# KiCad board EnvKB105.kicad_pcb (continued)
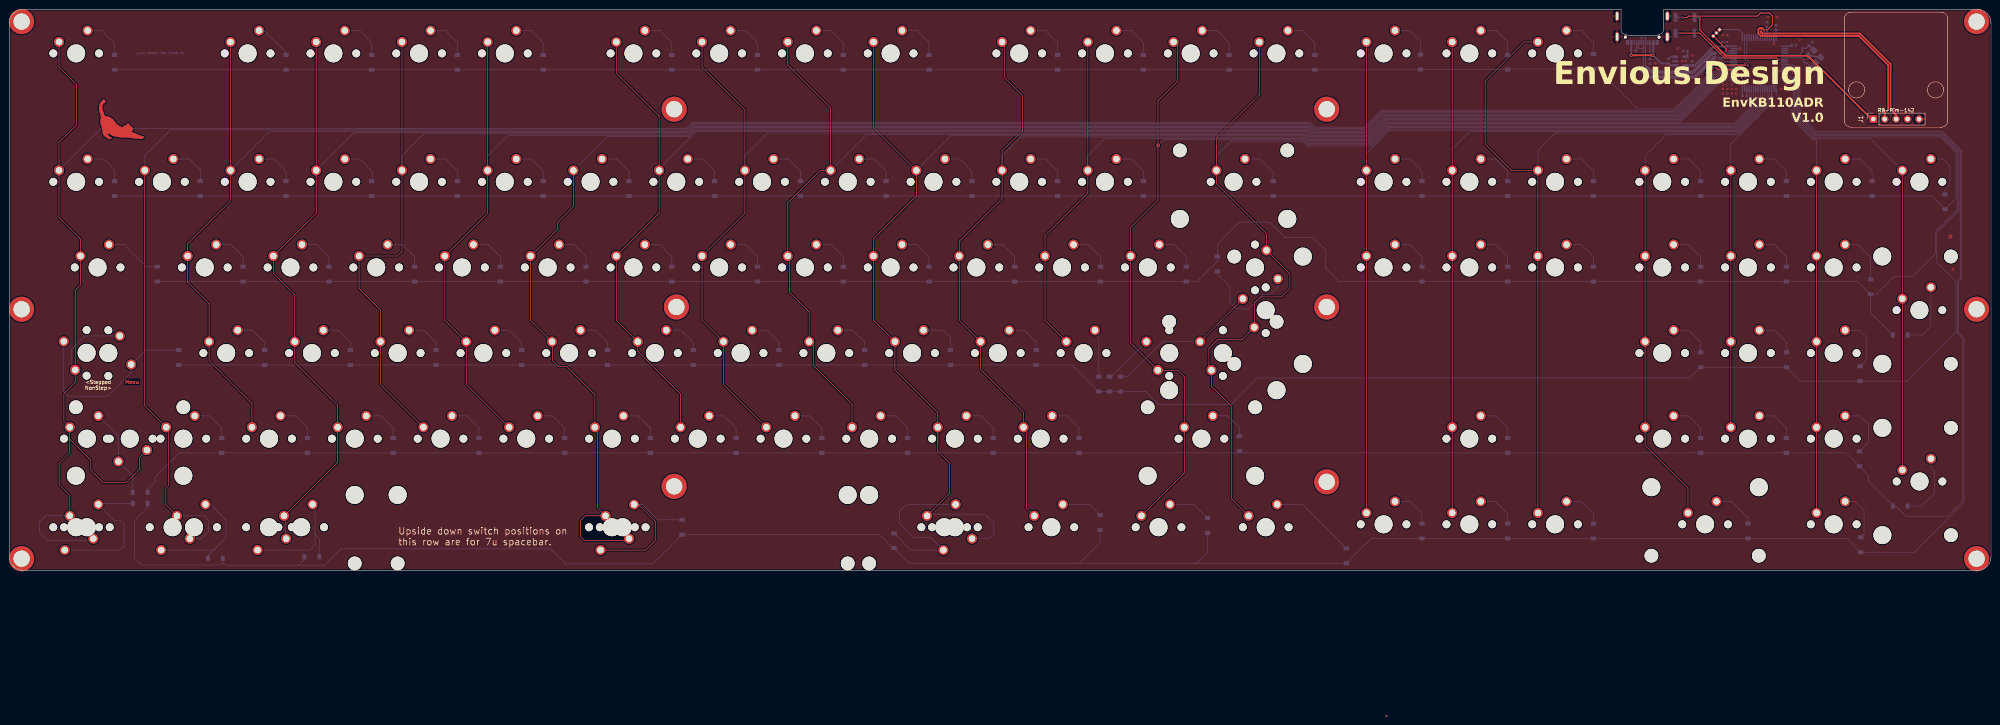
[diagram p0: board, top side]
## Nets
+3V3: C3.1 C4.1 C5.1 C6.1 C7.1 C9.1 C11.1 J1.1 R5.1 SW1.1 U1.1 U1.13 U1.19 U1.32 U1.48 U1.64 U2.5
/VBUS: R3.1 U2.1 USB1.A4 USB1.A9 USB1.B4 USB1.B9
GND: C1.2 C2.2 C3.2 C4.2 C5.2 C6.2 C7.2 C8.2 C9.2 C10.2 C11.2 J1.5 J5.2 R4.2 R102.1 R103.1 SW2.1 U1.12 U1.18 U1.31 U1.47 U1.63 U2.2 USB1.A1 USB1.A12 USB1.B1 USB1.B12 USB1.S1 Y1.2 Y1.4
/SWCLK: J5.1 U1.49
/SWD: J5.3 U1.46
col0: K_12.1 K_28.1 K_49.1 K_70.1 K_70B1.1 K_86.1 K_104.1 K_104B1.1 K_ANSI_1.1 U1.51
col1: K_29.1 K_87.1 K_105.1 K_105B1.1 U1.41
col2: K_13.1 K_30.1 K_50.1 K_71.1 K_88.1 U1.40
col3: K_14.1 K_31.1 K_51.1 K_72.1 K_89.1 K_106.1 K_106B1.1 U1.39
col4: K_15.1 K_32.1 K_52.1 K_73.1 K_90.1 U1.38
col5: K_16.1 K_33.1 K_53.1 K_74.1 K_91.1 U1.37
col6: K_34.1 K_54.1 K_75.1 K_92.1 K_107.1 K_107B1.1 U1.36
col7: K_17.1 K_35.1 K_55.1 K_76.1 K_93.1 U1.35
col8: K_18.1 K_36.1 K_56.1 K_77.1 K_94.1 U1.34
col9: K_19.1 K_37.1 K_57.1 K_78.1 K_95.1 U1.33
col10: K_20.1 K_38.1 K_58.1 K_79.1 K_96.1 K_108.1 K_108C1.1 U1.29
col11: K_21.1 K_39.1 K_59.1 K_80.1 K_97.1 K_109.1 U1.28
col12: K_22.1 K_40.1 K_60.1 K_81.1 U1.27
col13: K_23.1 K_61.1 K_82.1 K_98.1 K_110.1 U1.26
col14: K_24.1 K_41.1 K_62.1 K_111.1 K_ANSI_2.1 K_ANSI_3.1 U1.25
col15: K_25.1 K_42.1 K_63.1 K_112.1 U1.24
col16: K_26.1 K_43.1 K_64.1 K_99.1 K_113.1 U1.23
col17: K_27.1 K_44.1 K_65.1 K_114.1 U1.22
col19: K_45.1 K_66.1 K_83.1 K_100.1 K_115.1 U1.21
col20: K_46.1 K_67.1 K_84.1 K_101.1 U1.20
col21: K_47.1 K_68.1 K_85.1 K_102.1 K_116.1 U1.17
col22: K_48.1 K_69.1 K_103.1 U1.16
row1: D_12.1 D_13.1 D_14.1 D_15.1 D_16.1 D_17.1 D_18.1 D_19.1 D_20.1 D_21.1 D_22.1 D_23.1 D_24.1 D_25.1 D_26.1 D_27.1 U1.50
row3: D_28.1 D_29.1 D_30.1 D_31.1 D_32.1 D_33.1 D_34.1 D_35.1 D_36.1 D_37.1 D_38.1 D_39.1 D_40.1 D_41.1 D_42.1 D_43.1 D_44.1 D_45.1 D_46.1 D_47.1 D_48.1 U1.15
row4: D_49.1 D_50.1 D_51.1 D_52.1 D_53.1 D_54.1 D_55.1 D_56.1 D_57.1 D_58.1 D_59.1 D_60.1 D_61.1 D_63.1 D_64.1 D_65.1 D_66.1 D_67.1 D_68.1 D_69.1 D_117.1 U1.14
row5: D_62.1 D_70.1 D_71.1 D_72.1 D_73.1 D_74.1 D_75.1 D_76.1 D_77.1 D_78.1 D_79.1 D_80.1 D_81.1 D_82.1 D_83.1 D_84.1 D_85.1 U1.11
row6: D_86.1 D_87.1 D_88.1 D_89.1 D_90.1 D_91.1 D_92.1 D_93.1 D_94.1 D_95.1 D_96.1 D_97.1 D_98.1 D_99.1 D_100.1 D_101.1 D_102.1 D_103.1 U1.10
row7: D_104.1 D_105.1 D_106.1 D_107.1 D_108.1 D_109.1 D_110.1 D_111.1 D_112.1 D_113.1 D_114.1 D_115.1 D_116.1 U1.9
SCL: J1.3 U1.58
SDA: J1.2 U1.59
USB_D+: R1.1 USB1.A6 USB1.B6
USB_D-: R2.1 USB1.A7 USB1.B7
Net-(D_12-A): D_12.2 K_12.2
Net-(D_13-A): D_13.2 K_13.2
Net-(D_14-A): D_14.2 K_14.2
Net-(D_15-A): D_15.2 K_15.2
Net-(D_16-A): D_16.2 K_16.2
Net-(D_17-A): D_17.2 K_17.2
Net-(D_18-A): D_18.2 K_18.2
Net-(D_19-A): D_19.2 K_19.2
Net-(D_20-A): D_20.2 K_20.2
Net-(D_21-A): D_21.2 K_21.2
Net-(D_22-A): D_22.2 K_22.2
Net-(D_23-A): D_23.2 K_23.2
Net-(D_24-A): D_24.2 K_24.2
Net-(D_25-A): D_25.2 K_25.2
Net-(D_26-A): D_26.2 K_26.2
Net-(D_27-A): D_27.2 K_27.2
Net-(D_28-A): D_28.2 K_28.2
Net-(D_29-A): D_29.2 K_29.2
Net-(D_30-A): D_30.2 K_30.2
Net-(D_31-A): D_31.2 K_31.2
Net-(D_32-A): D_32.2 K_32.2
Net-(D_33-A): D_33.2 K_33.2
Net-(D_34-A): D_34.2 K_34.2
Net-(D_35-A): D_35.2 K_35.2
Net-(D_36-A): D_36.2 K_36.2
Net-(D_37-A): D_37.2 K_37.2
Net-(D_38-A): D_38.2 K_38.2
Net-(D_39-A): D_39.2 K_39.2
Net-(D_40-A): D_40.2 K_40.2
Net-(D_41-A): D_41.2 K_41.2
Net-(D_42-A): D_42.2 K_42.2
Net-(D_43-A): D_43.2 K_43.2
Net-(D_44-A): D_44.2 K_44.2
Net-(D_45-A): D_45.2 K_45.2
Net-(D_46-A): D_46.2 K_46.2
Net-(D_47-A): D_47.2 K_47.2
Net-(D_48-A): D_48.2 K_48.2
Net-(D_49-A): D_49.2 K_49.2
Net-(D_50-A): D_50.2 K_50.2
Net-(D_51-A): D_51.2 K_51.2
Net-(D_52-A): D_52.2 K_52.2
Net-(D_53-A): D_53.2 K_53.2
Net-(D_54-A): D_54.2 K_54.2
Net-(D_55-A): D_55.2 K_55.2
Net-(D_56-A): D_56.2 K_56.2
Net-(D_57-A): D_57.2 K_57.2
Net-(D_58-A): D_58.2 K_58.2
Net-(D_59-A): D_59.2 K_59.2
Net-(D_60-A): D_60.2 K_60.2
Net-(D_61-A): D_61.2 K_61.2
Net-(D_62-A): D_62.2 K_62.2 K_ANSI_2.2
Net-(D_63-A): D_63.2 K_63.2
Net-(D_64-A): D_64.2 K_64.2
Net-(D_65-A): D_65.2 K_65.2
Net-(D_66-A): D_66.2 K_66.2
Net-(D_67-A): D_67.2 K_67.2
Net-(D_68-A): D_68.2 K_68.2
Net-(D_69-A): D_69.2 K_69.2
Net-(D_70-A): D_70.2 K_70.2 K_70B1.2
Net-(D_71-A): D_71.2 K_71.2
Net-(D_72-A): D_72.2 K_72.2
Net-(D_73-A): D_73.2 K_73.2
Net-(D_74-A): D_74.2 K_74.2
Net-(D_75-A): D_75.2 K_75.2
Net-(D_76-A): D_76.2 K_76.2
Net-(D_77-A): D_77.2 K_77.2
Net-(D_78-A): D_78.2 K_78.2
Net-(D_79-A): D_79.2 K_79.2
Net-(D_80-A): D_80.2 K_80.2
Net-(D_81-A): D_81.2 K_81.2
Net-(D_82-A): D_82.2 K_82.2
Net-(D_83-A): D_83.2 K_83.2
Net-(D_84-A): D_84.2 K_84.2
Net-(D_85-A): D_85.2 K_85.2
Net-(D_86-A): D_86.2 K_86.2 K_ANSI_1.2
Net-(D_87-A): D_87.2 K_87.2
Net-(D_88-A): D_88.2 K_88.2
Net-(D_89-A): D_89.2 K_89.2
Net-(D_90-A): D_90.2 K_90.2
Net-(D_91-A): D_91.2 K_91.2
Net-(D_92-A): D_92.2 K_92.2
Net-(D_93-A): D_93.2 K_93.2
Net-(D_94-A): D_94.2 K_94.2
Net-(D_95-A): D_95.2 K_95.2
Net-(D_96-A): D_96.2 K_96.2
Net-(D_97-A): D_97.2 K_97.2
Net-(D_98-A): D_98.2 K_98.2
Net-(D_99-A): D_99.2 K_99.2
Net-(D_100-A): D_100.2 K_100.2
Net-(D_101-A): D_101.2 K_101.2
Net-(D_102-A): D_102.2 K_102.2
Net-(D_103-A): D_103.2 K_103.2
Net-(D_104-A): D_104.2 K_104.2 K_104B1.2
Net-(D_105-A): D_105.2 K_105.2 K_105B1.2
Net-(D_106-A): D_106.2 K_106.2 K_106B1.2
Net-(D_107-A): D_107.2 K_107.2 K_107B1.2
Net-(D_108-A): D_108.2 K_108.2 K_108C1.2
Net-(D_109-A): D_109.2 K_109.2
Net-(D_110-A): D_110.2 K_110.2
Net-(D_111-A): D_111.2 K_111.2
Net-(D_112-A): D_112.2 K_112.2
Net-(D_113-A): D_113.2 K_113.2
Net-(D_114-A): D_114.2 K_114.2
Net-(D_115-A): D_115.2 K_115.2
Net-(D_116-A): D_116.2 K_116.2
Net-(D_117-A): D_117.2 K_ANSI_3.2
Net-(U1-BOOT0): R4.1 SW1.2 U1.60
Net-(U1-NRST): SW2.2 U1.7
Net-(U1-PA10): R5.2 U1.43
Net-(U1-PA11): R2.2 U1.44
Net-(U1-PA12): R1.2 U1.45
Net-(U1-PH0): C2.1 U1.5 Y1.3
Net-(U1-PH1): C1.1 U1.6 Y1.1
Net-(U1-VCAP1): C8.1 U1.30
Net-(U2-BP): C10.1 U2.4
Net-(U2-EN): R3.2 U2.3
Net-(USB1-CC1): R102.2 USB1.A5
Net-(USB1-CC2): R103.2 USB1.B5

Pads without a net: H1 1; H2 1; H3 1; H4 1; H5 1; H6 1; H7 1; H8 1; H9 1; H10 1; H11 1; H12 1; J1 4; U1 2 3 4 8 42 52 53 54 55 56 57 61 62; USB1 A8 B8

## Via types
v1: diameter 0.5, hole 0.3, Top to Bottom, 50 vias
v2: diameter 0.8, hole 0.4, Top to Bottom, 4 vias

## Routing (per net, layer and track width the routed paths; a pad name or vN(x,y) marks a point on that pad's centre or on a via; arc(x,y) is an arc through that point)
+3V3: length 80.4
  Top w0.25: v1(375.6,122.8) 375.6,120.25 v1(379.25,116.6)
  Top w0.3: v1(384.91,109.56) 384.91,109.84 383.33,111.42 379.58,111.42 v1(379.23,111.77)
  Top w0.4: J1.1 413.72,100.4 399.62,114.5 381.35,114.5 v1(379.25,116.6)
  Bottom w0.15: v1(379.23,111.77) 378.51,111.77 R5.1 ; v1(384.91,109.56) 385.05,109.42 U1.32
  Bottom w0.25: C4.1 U1.32 ; C5.1 U1.19 ; U1.1 395.75,116.6 C7.1 ; U1.64 C3.1 ; SW1.1 375.62,123 375.62,122.82 v1(375.6,122.8)
  Bottom w0.3: 378.19,116.06 378.73,116.6 v1(379.25,116.6) U1.48
  Bottom w0.5: U2.5 C11.1 374.48,112.35 378.19,116.06
/VBUS: length 16.4
  Top w0.4: v2(365.2,114.6) v2(360.35,114.6)
  Bottom w0.4: U2.1 369.1,112.35 R3.1 367.01,112.79 v2(365.2,114.6) 365.25,114.65 USB1.A9 ; v2(360.35,114.6) USB1.A4
GND: length 11.9
  Bottom w0.15: U1.12 396.05,111.1 v1(396.38,110.77)
  Bottom w0.25: U1.31 v1(385.55,108.55) ; U1.47 v1(384.5,116.1) ; U1.18 v1(392.05,108.55) ; U1.63 v1(392.05,117.17) ; U1.12 v1(392.85,111.1)
  Bottom w0.35: Y1.2 Y1.4
  vias: v1(365.7,112.85) v1(370.7,116.1) v1(371.7,113.35) v1(372.45,113.35) v1(373.95,114.6) v1(380.7,119.1) v1(380.7,108.1) v1(380.7,107.1) v1(380.7,106.1) v1(381.7,119.1) v1(381.7,108.1) v1(381.7,107.1) v1(381.7,106.1) v1(382.7,108.1) v1(382.7,107.1) v1(382.7,106.1) v1(383.7,107.1) v1(383.7,106.1) v1(390.7,123.1) v1(391.7,103.1) v1(392.7,123.1) v1(393.7,107.1) v1(394.7,108.1) v1(394.7,107.1) v1(395.7,108.1) v1(395.7,107.1) v1(397.7,118.1) v1(431.85,67) v2(431.3,74.3)
(no net):
  vias: v1(306,-32.4)
/SWCLK: length 6.4
  Bottom w0.25: J5.1 384.25,120.3 385.05,119.5 U1.49
/SWD: length 6.1
  Top w0.25: J5.3 381.45,116.02 v1(381.45,115.62)
  Bottom w0.25: U1.46 381.47,115.6 v1(381.45,115.62)
col0: length 574.3
  Top w0.15: 13.4,29.2 18.08,24.51 18.08,22.31 20.88,19.51 25.91,19.51 28.86,22.46 28.86,25.08 30.55,26.77 ; 13.4,29.2 K_86.1 12.1,33.14 12.1,39.35 14.61,41.86 K_70B1.1 14.61,62.36 15.78,63.53 K_49.1 15.78,73.72 11.02,78.48 K_28.1 11.02,95.25 14.94,99.18 14.94,108.01 11.02,111.93 K_12.1 ; 13.4,29.2 13.4,26.18 11.04,23.82 11.04,19.06 13.39,16.71 K_104.1 ; v1(386.3,112.3) 378.3,112.3 377.9,111.9 v1(377.9,110.5)
  Bottom w0.15: K_70.1 16.81,52.16 13.85,49.2 13.85,45.35 K_70B1.1 ; K_28.1 20.33,98.3 150.33,98.3 151.73,99.7 289.04,99.7 290.14,98.6 301.01,98.6 304.81,102.4 370.1,102.4 377.91,110.21 377.91,110.57 377.91,110.51 v1(377.9,110.5) ; U1.51 386.05,113.95 386.3,113.7 v1(386.3,112.3) ; K_104B1.1 18.23,6.65 8.5,6.65 6.65,8.5 6.65,10.75 8.04,12.14 K_104.1
col1: length 461
  Top w0.15: K_29.1 30.07,36.6 K_87.1 35.4,31.27 35.4,18.95 34.75,18.3 34.75,14.6 K_105.1
  Bottom w0.15: K_29.1 30.07,92.27 35.8,98 150.45,98 151.85,99.4 288.92,99.4 290.02,98.3 301.14,98.3 304.94,102.1 370.22,102.1 381.22,113.1 U1.41 ; K_105.1 43.31,12.14 44.2,11.25 44.2,8.6 42.66,7.06 K_105B1.1
col2: length 440.3
  Top w0.15: K_88.1 53.88,37.15 44.35,46.68 K_71.1 44.35,59.37 39.59,64.13 K_50.1 39.59,72.67 49.12,82.19 49.12,117.56
  Bottom w0.15: U1.40 381.15,112.6 370.35,101.8 305.06,101.8 301.26,98 289.89,98 288.79,99.1 151.98,99.1 150.58,97.7 57.83,97.7 49.12,88.99
col3: length 450.9
  Top w0.15: K_106.1 72.93,24.05 K_89.1 72.93,36.74 63.4,46.27 K_72.1 63.4,61.35 58.64,66.11 K_51.1 68.17,79.46 K_31.1 K_14.1
  Bottom w0.15: K_31.1 76.58,97.4 150.7,97.4 152.1,98.8 288.67,98.8 289.77,97.7 301.38,97.7 305.18,101.5 370.47,101.5 381.07,112.1 U1.39 ; K_106B1.1 61.35,7.19 61.35,11.81 K_106.1
col4: length 408.7
  Top w0.15: K_15.1 K_32.1 87.22,70.96 86.19,69.94 K_52.1 77.69,62.7 82.45,57.94 K_73.1 82.45,41.36 K_90.1
  Bottom w0.15: K_32.1 87.22,92.27 92.05,97.1 150.83,97.1 152.23,98.5 288.54,98.5 289.64,97.4 301.51,97.4 305.31,101.2 370.6,101.2 381,111.6 U1.38
col5: length 384.4
  Top w0.15: K_91.1 101.5,41.36 K_74.1 96.74,55.65 K_53.1 106.27,79.46 K_33.1 K_16.1
  Bottom w0.15: K_33.1 106.27,92.27 110.8,96.8 150.95,96.8 152.35,98.2 288.42,98.2 289.52,97.1 301.63,97.1 305.43,100.9 370.72,100.9 380.92,111.1 U1.37
col6: length 377.2
  Top w0.15: K_34.1 125.32,80.93 121.84,77.46 121.84,75.99 K_54.1 115.79,55.65 K_75.1 ; 120.66,50.78 120.66,46.67 121.94,45.39 123.82,45.39 130.08,39.13 K_92.1 130.65,31.27 130.65,13.94 K_107.1 127.94,12.14 126.85,11.05 126.85,7.6 127.8,6.65 137.27,6.65 K_107B1.1
  Bottom w0.15: U1.36 380.84,110.6 378.24,107.99 378.24,107.99 378.23,107.99 370.84,100.6 305.56,100.6 301.76,96.8 289.39,96.8 288.29,97.9 152.48,97.9 151.08,96.5 132.82,96.5 K_34.1
col7: length 348.2
  Top w0.15: K_93.1 149.13,39.25 139.6,48.78 K_76.1 134.84,55.65 K_55.1 144.37,79.46 K_35.1 144.37,101.09 134.84,110.62 K_17.1
  Bottom w0.15: U1.35 380.77,110.1 378.98,108.32 378.98,108.31 370.97,100.3 305.68,100.3 301.88,96.5 289.27,96.5 288.17,97.6 152.6,97.6 144.37,89.36 K_35.1
col8: length 330.6
  Top w0.15: K_94.1 158.65,41.36 K_77.1 153.89,55.65 K_56.1 163.42,79.46 K_36.1 163.42,102.45 153.89,111.98 K_18.1
  Bottom w0.15: K_36.1 163.42,92.27 168.45,97.3 288.05,97.3 289.15,96.2 302.01,96.2 305.81,100 371.1,100 380.7,109.6 U1.34
col9: length 310.3
  Top w0.15: 173.3,69.58 173.3,61.9 177.7,57.5 K_78.1 178.7,49.89 178.7,45.5 187.23,36.97 K_95.1 ; K_57.1 172.94,81.76 180.17,88.99 K_37.1 182.46,102.88 172.94,112.4 K_19.1
  Bottom w0.15: K_37.1 190.48,97 287.92,97 289.02,95.9 302.13,95.9 305.93,99.7 371.22,99.7 380.62,109.1 U1.33
col10: length 342.2
  Top w0.15: 206.28,28.13 206.28,26.52 208.9,23.9 208.9,17.15 K_108.1 ; K_20.1 191.99,98.52 K_38.1 201.51,83.28 191.99,73.76 K_58.1 191.99,55.65 K_79.1 196.75,44.62 206.28,35.09 K_96.1
  Top w0.2: 206.28,28.13 K_96.1
  Bottom w0.15: K_108.1 204.25,12.5 216.8,12.5 218.75,10.55 218.75,8.05 217.76,7.06 K_108C1.1 ; U1.29 386.55,106.4 386.7,106.25 386.7,102.95 383.15,99.4 306.05,99.4 302.25,95.6 288.9,95.6 287.8,96.7 209.23,96.7 K_38.1
col11: length 299.4
  Top w0.15: K_109.1 225.95,13.9 225.95,31.22 K_97.1 225.33,35.17 215.8,44.7 K_80.1 211.04,55.65 K_59.1 211.04,73.2 220.56,82.72 K_39.1 220.56,93.31 225.1,97.85 225.1,105.65 221.15,109.6 221.15,116.97 K_21.1
  Bottom w0.15: K_39.1 220.56,92.27 224.7,96.4 287.67,96.4 288.77,95.3 302.38,95.3 306.18,99.1 383.27,99.1 387.05,102.88 U1.28
col12: length 233.4
  Top w0.15: K_22.1 K_40.1 239.62,83.97 230.09,74.45 K_60.1 230.09,55.65 K_81.1
  Bottom w0.15: K_40.1 239.62,92.27 243.45,96.1 287.55,96.1 288.65,95 302.5,95 306.3,98.8 383.4,98.8 387.55,102.95 U1.27
col13: length 263
  Top w0.15: K_23.1 259.6,116.62 259.6,108.91 255.2,104.51 255.2,94.6 v2(255.25,94.55) 255.2,94.5 255.2,82.39 249.14,76.33 K_61.1 249.14,50.57 K_82.1 259.61,44.54 261.05,43.1 K_98.1 261.05,21.67 K_110.1
  Bottom w0.15: v2(255.25,94.55) 256.5,95.8 287.42,95.8 288.52,94.7 302.63,94.7 306.43,98.5 383.52,98.5 388.05,103.03 U1.26
col14: length 265.4
  Top w0.15: K_111.1 271.6,15.87 271.6,36.45 267.08,40.97 K_ANSI_2.1 ; 266.5,45.11 266.5,49.35 268.45,51.3 273.83,51.3 K_62.1 276.6,59.5 277.95,60.85 282.65,60.85 284.5,62.7 284.5,66 282.65,67.84 282.65,67.85 K_ANSI_3.1 279.3,74.96 268.19,86.07 K_41.1 268.19,96.21 277.71,105.73 K_24.1
  Bottom w0.15: U1.25 388.55,103.1 383.65,98.2 306.55,98.2 302.75,94.4 288.4,94.4 287.3,95.5 271.43,95.5 268.19,92.27 K_41.1
col15: length 204.4
  Top w0.15: K_112.1 K_25.1
  Bottom w0.15: K_42.1 301.53,92.75 306.68,97.9 383.77,97.9 389.05,103.18 U1.24
col16: length 186.4
  Top w0.15: K_26.1 K_113.1
  Bottom w0.15: K_43.1 320.58,93.77 324.41,97.6 383.9,97.6 389.55,103.25 U1.23
col17: length 183.3
  Top w0.15: K_44.1 333.81,88.99 327.9,94.9 327.9,108.9 336.56,117.56 K_27.1 ; 339.63,89.83 K_114.1
  Bottom w0.15: K_44.1 339.63,93.4 343.52,97.3 384.02,97.3 390.05,103.33 U1.22
col19: length 118.9
  Top w0.15: K_115.1 372.96,18.25 363.44,27.78 K_100.1 K_45.1
  Bottom w0.15: U1.21 390.55,103.41 384.14,97 368.18,97 363.44,92.27 K_45.1
col20: length 78.9
  Top w0.15: K_101.1 K_46.1
  Bottom w0.15: K_46.1 382.49,94.92 390.85,103.28 390.85,105.7 391.05,105.9 U1.20
col21: length 98.6
  Top w0.15: K_47.1 K_116.1
  Bottom w0.15: U1.17 392.55,105.92 396.05,102.42 396.05,100.5 400.77,95.77 401.54,95.77 K_47.1
col22: length 105.8
  Top w0.15: K_103.1 420.61,88.97
  Bottom w0.15: U1.16 395.9,109.1 396.35,108.65 396.35,100.62 400.9,96.07 413.5,96.07 K_48.1
row1: length 376.7
  Top w0.15: v1(385.77,112.81) 385.56,112.6 378.18,112.6 377.08,111.5 v1(377.08,110.66)
  Bottom w0.15: 23.4,111.37 D_13.1 313.44,111.37 ; v1(377.08,110.66) 377.08,109.8 369.97,102.7 361.75,102.7 352.87,111.58 D_27.1 333.07,111.58 ; U1.50 385.55,113.85 385.77,113.63 v1(385.77,112.81) ; 313.58,111.4 D_26.1
row3: length 471.2
  Bottom w0.15: D_48.1 432.52,82.79 432.52,92.98 429.08,96.42 400.97,96.42 396.65,100.75 396.65,108.77 395.82,109.6 U1.15 ; 430.07,80.43 427.2,83.3 D_28.1
row4: length 501.4
  Bottom w0.15: U1.14 395.75,110.1 396.95,108.9 396.95,100.87 401.1,96.72 429.2,96.72 432.85,93.08 432.85,80.21 427.92,75.29 427.92,70.42 422.85,65.35 418.7,65.35 414.77,61.42 D_68.1 410.7,64.25 D_63.1 295.45,64.25 292.5,67.2 292.5,71.2 289.6,74.1 283.4,74.1 280,77.5 273.3,77.5 268.4,72.6 D_117.1 268.4,68.75 263.9,64.25 D_61.1 D_49.1 ; 413.5,61.39 413.5,57.34 D_69.1
row5: length 503.7
  Bottom w0.15: U1.11 396.28,111.6 397.25,110.63 397.25,101 401.22,97.02 429.33,97.02 433.17,93.18 433.17,80.07 428.25,75.15 428.25,68.5 432.5,64.25 432.5,52.95 421.66,42.11 D_85.1 397.91,42.11 D_84.1 D_83.1 ; 375.77,45.19 373.72,43.15 373.72,43.15 373.37,42.8 277.3,42.8 271.45,36.95 255.3,36.95 252.45,39.8 D_81.1 236.15,45.7 D_70.1
row6: length 546.3
  Bottom w0.15: 30.7,18.03 32.33,19.65 32.33,20.72 37.75,26.15 374.6,26.15 374.62,26.17 374.64,26.15 408.07,26.15 D_102.1 413.1,21.12 413.1,19.86 418.46,14.5 ; D_103.1 419.15,14.3 421.45,12 430.5,12 434,15.5 434,51.63 432.8,52.83 432.8,64.37 433.47,65.05 433.47,93.3 429.45,97.32 401.35,97.32 397.55,101.12 397.55,110.75 396.2,112.1 U1.10
row7: length 591.6
  Bottom w0.15: U1.9 396.12,112.6 397.85,110.88 397.85,101.25 401.47,97.62 429.57,97.62 433.77,93.43 433.77,64.92 433.1,64.25 433.1,52.95 434.3,51.75 434.3,15.1 423.24,4.04 D_116.1 408.27,7.1 D_115.1 D_114.1 D_113.1 D_112.1 302.55,7.1 D_111.1 263.1,1.6 263.3,1.6 ; 47.4,1.75 46.85,1.2 29.35,1.2 27.8,2.75 27.8,11.05 30.7,13.95 D_104.1 ; 47.4,1.75 48,1.15 63.9,1.15 ; 47.4,1.75 D_105.1 ; 237.4,1.6 237.75,1.6 242.35,6.2 D_109.1 ; 237.4,1.6 199.9,1.6 D_108.1 196.35,4.95 193.35,7.95 D_107.1 142.95,1.45 123.55,1.45 120.2,4.8 73.7,4.8 70.05,1.15 63.9,1.15 ; 237.4,1.6 237.25,1.6 263.3,1.6 ; 63.9,1.15 64.3,1.15 65.55,2.4 D_106.1 ; 263.3,1.6 263.85,1.6 266.2,3.95 D_110.1
SCL: length 46.6
  Top w0.4: J1.3 419.23,101.28 418,102.52 418,112.63 411.18,119.45 389.43,119.45 389.15,119.72 389.15,120.04 v1(389.2,120.09)
  Bottom w0.2: U1.58 389.55,119.74 v1(389.2,120.09)
SDA: length 48.5
  Top w0.4: J1.2 416.69,101.71 417.44,102.46 417.44,112.4 410.95,118.9 389.2,118.9 388.6,119.5 388.6,120.34 388.95,120.69 389.45,120.69 389.95,120.19 389.95,120.17 v1(389.9,120.22)
  Bottom w0.2: U1.59 389.98,118.59 389.98,120.14 v1(389.9,120.22)
USB_D+: length 26.3
  Bottom w0.2: USB1.A6 362.55,118.6 363.55,118.6 USB1.B6 363.55,112.2 363.9,111.85
  Bottom w0.8: R1.1 378.31,115.05 374.08,110.82 364.93,110.82 363.9,111.85
USB_D-: length 29
  Bottom w0.2: USB1.B7 362.05,116.1 363.05,116.1 USB1.A7 363.05,112.3 362.35,111.6
  Bottom w0.8: R2.1 378.74,114 374.52,109.77 364.18,109.77 362.35,111.6
Net-(D_12-A): length 9.8
  Bottom w0.15: K_12.2 20.51,120.1 23.35,117.27 23.35,114.67
Net-(D_13-A): length 8.6
  Bottom w0.15: K_13.2 56.58,120.1 61.45,115.22 D_13.2
Net-(D_14-A): length 9.8
  Bottom w0.15: D_14.2 80.5,117.42 77.82,120.1 K_14.2
Net-(D_15-A): length 9.8
  Bottom w0.15: 93.56,120.1 96.87,120.1 99.55,117.42 D_15.2
Net-(D_16-A): length 9.8
  Bottom w0.15: D_16.2 118.6,117.42 115.92,120.1 K_16.2
Net-(D_17-A): length 9.8
  Bottom w0.15: D_17.2 147.18,117.42 144.49,120.1 K_17.2
Net-(D_18-A): length 9.8
  Bottom w0.15: D_18.2 166.23,117.42 163.54,120.1 K_18.2
Net-(D_19-A): length 9.8
  Bottom w0.15: D_19.2 185.27,117.42 182.59,120.1 K_19.2
Net-(D_20-A): length 9.8
  Bottom w0.15: D_20.2 204.32,117.42 201.64,120.1 K_20.2
Net-(D_21-A): length 9.8
  Bottom w0.15: D_21.2 232.9,117.42 230.22,120.1 226.91,120.1
Net-(D_22-A): length 9.8
  Bottom w0.15: 245.96,120.1 249.27,120.1 251.95,117.42 D_22.2
Net-(D_23-A): length 9.8
  Bottom w0.15: D_23.2 271,117.42 268.32,120.1 K_23.2
Net-(D_24-A): length 9.8
  Bottom w0.15: D_24.2 290.05,117.42 287.37,120.1 K_24.2
Net-(D_25-A): length 9.6
  Bottom w0.15: K_25.2 311.18,120.1 313.52,117.76 D_25.2
Net-(D_26-A): length 9.9
  Bottom w0.15: D_26.2 332.89,117.57 330.35,120.1 K_26.2
Net-(D_27-A): length 9.6
  Bottom w0.15: K_27.2 349.28,120.1 351.95,117.43 D_27.2
Net-(D_28-A): length 9.5
  Bottom w0.15: D_28.2 23.35,89.11 20.93,91.53 K_28.2
Net-(D_29-A): length 9.5
  Bottom w0.15: D_29.2 42.4,89.06 39.93,91.53 K_29.2
Net-(D_30-A): length 9.3
  Bottom w0.15: K_30.2 58.77,91.53 61.45,88.85 D_30.2
Net-(D_31-A): length 9.1
  Bottom w0.15: 80.5,86.96 80.61,87.07 80.61,88.74 77.82,91.53 K_31.2
Net-(D_32-A): length 9.3
  Bottom w0.15: 93.56,91.53 96.87,91.53 99.55,88.85 D_32.2
Net-(D_33-A): length 9.3
  Bottom w0.15: K_33.2 115.92,91.53 118.6,88.85 D_33.2
Net-(D_34-A): length 9.3
  Bottom w0.15: K_34.2 134.97,91.53 137.65,88.85 D_34.2
Net-(D_35-A): length 9.3
  Bottom w0.15: D_35.2 156.7,88.85 154.02,91.53 K_35.2
Net-(D_36-A): length 9.3
  Bottom w0.15: K_36.2 173.07,91.53 175.75,88.85 D_36.2
Net-(D_37-A): length 9.3
  Bottom w0.15: 188.81,91.53 192.12,91.53 194.8,88.85 D_37.2
Net-(D_38-A): length 9.3
  Bottom w0.15: D_38.2 213.85,88.85 211.17,91.53 K_38.2
Net-(D_39-A): length 9.3
  Bottom w0.15: 226.91,91.53 230.22,91.53 232.9,88.85 D_39.2
Net-(D_40-A): length 9.3
  Bottom w0.15: D_40.2 251.95,88.85 249.27,91.53 245.96,91.53
Net-(D_41-A): length 9.5
  Bottom w0.15: K_41.2 277.84,91.53 280.8,88.57 D_41.2
Net-(D_42-A): length 9.3
  Bottom w0.15: K_42.2 311.18,91.53 313.86,88.85 D_42.2
Net-(D_43-A): length 9.3
  Bottom w0.15: D_43.2 332.91,88.85 330.23,91.53 K_43.2
Net-(D_44-A): length 9.3
  Bottom w0.15: D_44.2 351.96,88.85 349.28,91.53 K_44.2
Net-(D_45-A): length 9.3
  Bottom w0.15: K_45.2 373.09,91.53 375.77,88.85 375.77,88.85 D_45.2
Net-(D_46-A): length 9.3
  Bottom w0.15: K_46.2 392.14,91.53 394.82,88.85 D_46.2
Net-(D_47-A): length 9.3
  Bottom w0.15: K_47.2 411.19,91.53 413.88,88.85 D_47.2
Net-(D_48-A): length 11.7
  Bottom w0.15: D_48.2 430.07,84.57 431.17,85.67 431.17,90 429.64,91.53 K_48.2
Net-(D_49-A): length 12.8
  Bottom w0.15: K_49.2 25.43,72.48 30.36,67.55 D_49.2
Net-(D_50-A): length 9.3
  Bottom w0.15: K_50.2 49.24,72.48 51.92,69.8 D_50.2
Net-(D_51-A): length 9.3
  Bottom w0.15: D_51.2 70.98,69.8 68.29,72.48 K_51.2
Net-(D_52-A): length 9.3
  Bottom w0.15: K_52.2 87.34,72.48 90.03,69.8 D_52.2
Net-(D_53-A): length 9.3
  Bottom w0.15: K_53.2 106.39,72.48 109.08,69.8 D_53.2
Net-(D_54-A): length 9.3
  Bottom w0.15: D_54.2 128.12,69.8 125.44,72.48 K_54.2
Net-(D_55-A): length 9.3
  Bottom w0.15: D_55.2 147.18,69.8 144.49,72.48 K_55.2
Net-(D_56-A): length 9.3
  Bottom w0.15: K_56.2 163.54,72.48 166.23,69.8 D_56.2
Net-(D_57-A): length 9.3
  Bottom w0.15: K_57.2 182.59,72.48 185.27,69.8 D_57.2
Net-(D_58-A): length 9.3
  Bottom w0.15: K_58.2 201.64,72.48 204.32,69.8 D_58.2
Net-(D_59-A): length 9.3
  Bottom w0.15: D_59.2 223.38,69.8 220.69,72.48 K_59.2
Net-(D_60-A): length 9.3
  Bottom w0.15: D_60.2 242.43,69.8 239.74,72.48 K_60.2
Net-(D_61-A): length 9.3
  Bottom w0.15: D_61.2 261.47,69.8 258.79,72.48 K_61.2
Net-(D_62-A): length 34.3
  Top w0.15: K_ANSI_2.2 274.06,60.4
  Bottom w0.15: K_ANSI_2.2 256.23,50.88 248.45,43.1 D_62.2
Net-(D_63-A): length 9.3
  Bottom w0.15: K_63.2 311.18,72.48 313.86,69.8 D_63.2
Net-(D_64-A): length 9.3
  Bottom w0.15: D_64.2 332.91,69.8 330.23,72.48 K_64.2
Net-(D_65-A): length 9.3
  Bottom w0.15: K_65.2 349.28,72.48 351.96,69.8 D_65.2
Net-(D_66-A): length 9.3
  Bottom w0.15: D_66.2 375.77,69.8 373.09,72.48 K_66.2
Net-(D_67-A): length 9.3
  Bottom w0.15: K_67.2 392.14,72.48 394.82,69.8 D_67.2
Net-(D_68-A): length 11.8
  Bottom w0.15: K_68.2 410.72,72.48 413.53,69.67 D_68.2
Net-(D_69-A): length 14.6
  Bottom w0.15: D_69.2 425,52.37 426.94,54.31 K_69.2
Net-(D_70-A): length 42.4
  Bottom w0.15: D_70.2 30.24,49 K_70.2 27.05,44.01 21.79,38.75 13.15,38.75 12.07,39.83 K_70B1.2
Net-(D_71-A): length 8.8
  Bottom w0.15: D_71.2 56.69,50.75 54,53.43 K_71.2
Net-(D_72-A): length 8.8
  Bottom w0.15: D_72.2 75.74,50.75 73.05,53.43 K_72.2
Net-(D_73-A): length 8.8
  Bottom w0.15: D_73.2 94.79,50.75 92.1,53.43 K_73.2
Net-(D_74-A): length 8.8
  Bottom w0.15: D_74.2 113.84,50.62 111.03,53.43 K_74.2
Net-(D_75-A): length 8.8
  Bottom w0.15: D_75.2 132.89,50.75 130.2,53.43 K_75.2
Net-(D_76-A): length 8.8
  Bottom w0.15: K_76.2 149.25,53.43 151.94,50.75 D_76.2
Net-(D_77-A): length 8.8
  Bottom w0.15: D_77.2 170.99,50.75 168.3,53.43 K_77.2
Net-(D_78-A): length 8.8
  Bottom w0.15: K_78.2 187.35,53.43 190.04,50.75 D_78.2
Net-(D_79-A): length 9.5
  Bottom w0.15: D_79.2 209.09,51.81 207.47,53.43 K_79.2
Net-(D_80-A): length 8.8
  Bottom w0.15: K_80.2 225.45,53.43 228.14,50.75 D_80.2
Net-(D_81-A): length 10.7
  Bottom w0.15: K_81.2 242.05,52.58 D_81.2
Net-(D_82-A): length 11
  Bottom w0.15: 244.84,43.1 K_82.2
Net-(D_83-A): length 9.3
  Bottom w0.15: D_83.2 375.77,50.75 373.09,53.43 K_83.2
Net-(D_84-A): length 9.3
  Bottom w0.15: K_84.2 392.14,53.43 394.82,50.75 D_84.2
Net-(D_85-A): length 12.5
  Bottom w0.15: D_85.2 412.7,46.89 412.7,51.76 411.03,53.43 K_85.2
Net-(D_86-A): length 20.2
  Bottom w0.15: K_86.2 24.2,29.93 24.2,24.23 27.4,21.03 D_86.2
Net-(D_87-A): length 9.3
  Bottom w0.15: K_87.2 44.48,34.38 47.16,31.7 D_87.2
Net-(D_88-A): length 9.3
  Bottom w0.15: D_88.2 66.21,31.7 63.53,34.38 K_88.2
Net-(D_89-A): length 9.3
  Bottom w0.15: D_89.2 85.26,31.67 82.55,34.38 K_89.2
Net-(D_90-A): length 9.3
  Bottom w0.15: K_90.2 101.63,34.38 104.31,31.7 D_90.2
Net-(D_91-A): length 9.3
  Bottom w0.15: K_91.2 120.68,34.38 123.36,31.7 D_91.2
Net-(D_92-A): length 9.3
  Bottom w0.15: K_92.2 139.73,34.38 142.41,31.7 D_92.2
Net-(D_93-A): length 9.3
  Bottom w0.15: K_93.2 158.78,34.38 161.46,31.7 D_93.2
Net-(D_94-A): length 9.3
  Bottom w0.15: D_94.2 180.51,31.7 177.83,34.38 K_94.2
Net-(D_95-A): length 9.3
  Bottom w0.15: D_95.2 199.56,31.7 196.88,34.38 K_95.2
Net-(D_96-A): length 9.3
  Bottom w0.15: K_96.2 215.93,34.38 218.61,31.7 D_96.2
Net-(D_97-A): length 9.3
  Bottom w0.15: D_97.2 237.66,31.7 234.98,34.38 K_97.2
Net-(D_98-A): length 8.9
  Bottom w0.15: D_98.2 273.3,31.78 270.7,34.38 K_98.2
Net-(D_99-A): length 9.3
  Bottom w0.15: D_99.2 332.91,31.7 330.23,34.38 K_99.2
Net-(D_100-A): length 9.3
  Bottom w0.15: K_100.2 373.09,34.38 375.77,31.7 D_100.2
Net-(D_101-A): length 9.3
  Bottom w0.15: K_101.2 392.14,34.38 394.82,31.7 D_101.2
Net-(D_102-A): length 12.9
  Bottom w0.15: D_102.2 413.1,28.5 413.1,32.47 411.19,34.38 K_102.2
Net-(D_103-A): length 15.2
  Bottom w0.15: K_103.2 426.96,22.84 427.7,22.1 427.7,17.07 424.93,14.3 D_103.2
Net-(D_104-A): length 33.7
  Bottom w0.15: D_104.2 19.96,14.9 K_104.2 23.37,11.05 24.7,11.05 25.5,10.25 25.5,5.45 24.57,4.52 K_104B1.2
Net-(D_105-A): length 28.3
  Bottom w0.15: 45.65,4.8 45.37,4.52 K_105B1.2 ; 45.65,4.8 44.1,3.25 D_105.2 ; 45.65,4.8 48.1,7.25 48.1,11.25 44.67,14.68 K_105.2
Net-(D_106-A): length 28.2
  Bottom w0.15: D_106.2 68.85,7.05 67.9,8 67.9,8.4 ; K_106B1.2 66.67,4.52 67.9,5.75 67.9,8.4 ; K_106.2 67.9,14.15 67.9,8.4
Net-(D_107-A): length 35.6
  Top w0.15: K_107B1.2 141.37,4.52 143.5,6.65 143.5,10.9 139.72,14.68 K_107.2
  Bottom w0.15: K_107.2 140.6,14.68 144.03,11.25 D_107.2
Net-(D_108-A): length 40.6
  Bottom w0.15: K_108.2 199.28,14.68 197.75,13.15 197.75,10.45 200.9,7.3 204.75,7.3 K_108C1.2 200.28,4.52 D_108.2
Net-(D_109-A): length 9.3
  Bottom w0.15: D_109.2 239.97,14.68 K_109.2
Net-(D_110-A): length 9.6
  Bottom w0.15: K_110.2 263.17,14.68 D_110.2
Net-(D_111-A): length 19.4
  Bottom w0.15: D_111.2 287.27,14.68 K_111.2
Net-(D_112-A): length 9.3
  Bottom w0.15: D_112.2 313.86,12.65 311.18,15.33 K_112.2
Net-(D_113-A): length 9.3
  Bottom w0.15: D_113.2 332.91,12.65 330.23,15.33 K_113.2
Net-(D_114-A): length 9.3
  Bottom w0.15: D_114.2 351.96,12.65 349.28,15.33 K_114.2
Net-(D_115-A): length 9.8
  Bottom w0.15: K_115.2 382.62,15.33 386.3,11.65 D_115.2
Net-(D_116-A): length 11.3
  Bottom w0.15: D_116.2 412.1,8.11 412.1,13.3 410.07,15.33 K_116.2
Net-(D_117-A): length 23.1
  Bottom w0.15: K_ANSI_3.2 281.84,63.06 280.08,61.3 278.5,61.3 275.4,58.2 272.6,58.2 271.2,59.6 271.2,63.1 268.4,65.9 D_117.2
Net-(U1-BOOT0): length 28.5
  Top w0.25: v1(371.7,123) 372.8,123 373.12,123.32 388.38,123.32 389.02,123.97 391.12,123.97 391.72,123.37 391.72,121.35 v1(390.55,120.17)
  Bottom w0.25: 390.55,120.35 v1(390.55,120.17) ; 390.55,120.35 R4.1 ; 390.55,120.35 U1.60 ; v1(371.7,123) SW1.2
Net-(U1-NRST): length 26.7
  Top w0.25: v1(371.32,119.52) 375.57,119.52 381.1,114 392.6,114 v1(393,113.6)
  Bottom w0.25: SW2.2 v1(371.32,119.52) ; U1.7 v1(393,113.6)
Net-(U1-PA10): length 4.7
  Bottom w0.15: U1.43 381.3,114.1 379.91,112.71 R5.2
Net-(U1-PA11): length 3.4
  Bottom w0.25: R2.2 380.6,114 381.2,114.6 U1.44
Net-(U1-PA12): length 3.1
  Bottom w0.25: R1.2 380.06,115.1 U1.45
Net-(U1-PH0): length 8.5
  Bottom w0.25: Y1.3 400.92,115.75 399.88,116.8 399.22,116.15 398.8,116.15 398.73,116.22 398.31,116.22 398.31,115.79 398.38,115.73 398.38,115.3 397.68,114.6 U1.5
Net-(U1-PH1): length 8.4
  Bottom w0.25: U1.6 398.2,114.1 398.69,113.61 398.69,113.09 398.85,112.93 399.38,112.92 C1.1 401.27,112.97 Y1.1
Net-(U1-VCAP1): length 1.6
  Bottom w0.25: U1.30 C8.1
Net-(U2-BP): length 1.5
  Bottom w0.3: C10.1 372.88,114.7 U2.4
Net-(U2-EN): length 1.7
  Bottom w0.3: U2.3 369.1,114.25 R3.2
Net-(USB1-CC1): length 1.8
  Bottom w0.2: USB1.A5 361.55,115.81 R102.2
Net-(USB1-CC2): length 3.7
  Bottom w0.2: R103.2 USB1.B5

## Copper pours and planes (outline as drawn; the poured copper is in the pictures)
+3V3 on Bottom: 384.05,116.3 382.2,116.3 382.2,116.9 384.05,116.9 384.05,117.6 392.3,117.6 392.3,119.3 392.85,119.3 392.85,117.6 393.55,117.6 393.55,116.9 395.25,116.9 395.25,116.35 393.55,116.35 393.55,110.85 395.25,110.85 395.25,110.35 393.55,110.35 393.55,108.1 391.8,108.1 391.8,106.4 391.3,106.4 391.3,108.1 385.3,108.1 385.3,106.4 384.75,106.4 384.75,108.1 384.05,108.1
GND on Top, Bottom: 442.9,-6.28 -8.93,-6.28 -8.93,130.52 442.9,130.52

## Text on the board
Bottom: We don't talk about uwu…
B.Silkscreen: NRST | SWDAT | SWCLK | BOOT | Fun Fact: / This keyboard originally had / a dual funciton row / before it was made into a / 100% layout hence its name / 110ADR. | https://github.com/Envious-Data/Env-KB110ADR
Top: Meow
F.Silkscreen: <Stepped / NonStep> | RB-Pim-142 | Upside down switch positions on / this row are for 7u spacebar. | Envious.Design | EnvKB110ADR / V1.0
